# KiCad board aek.kicad_pcb
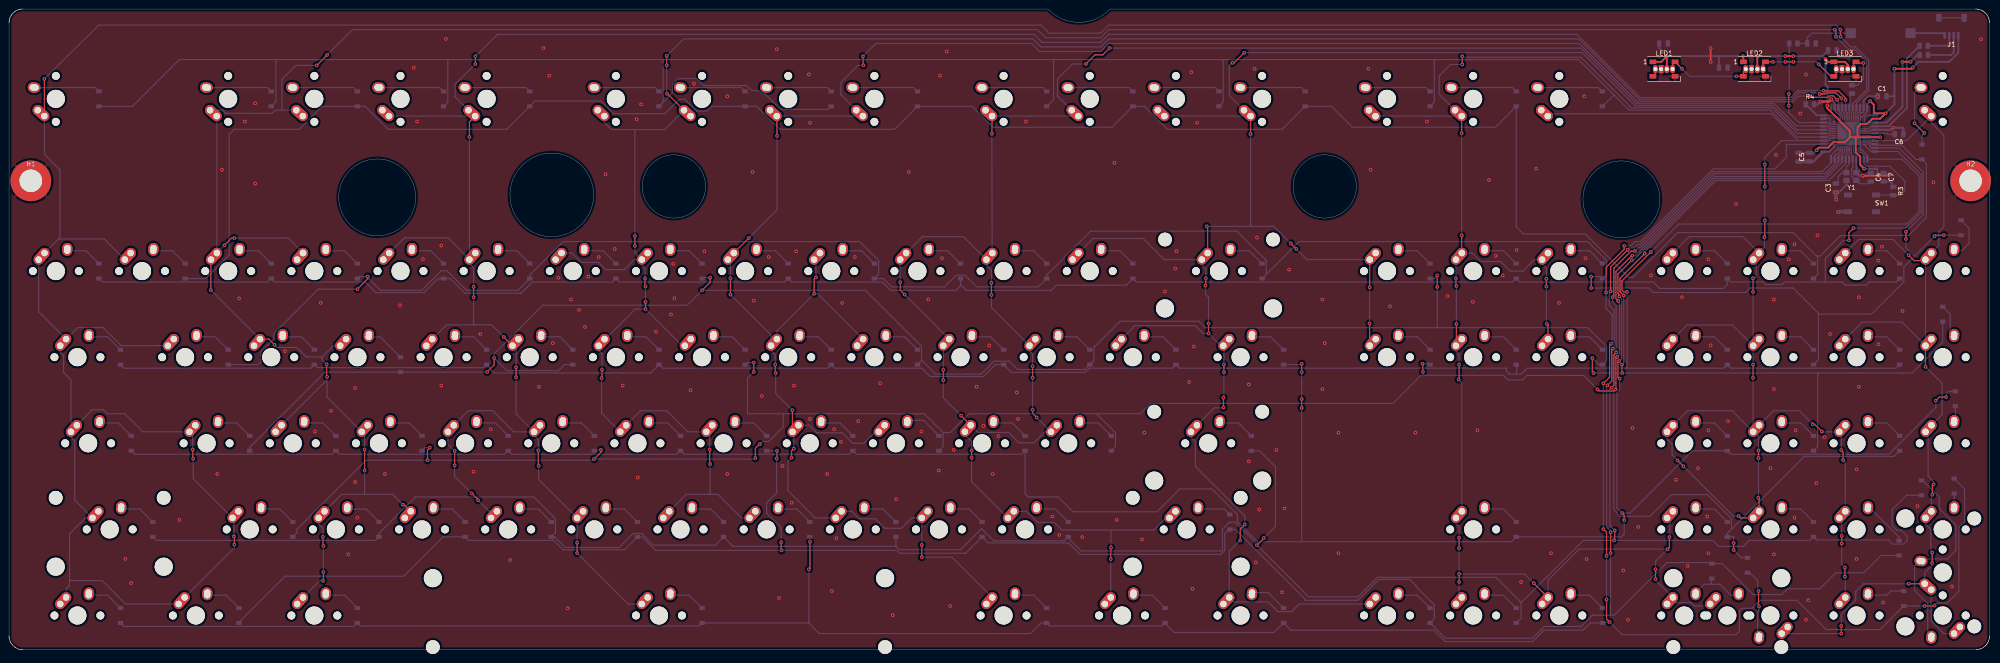
[diagram p0: board, top side]
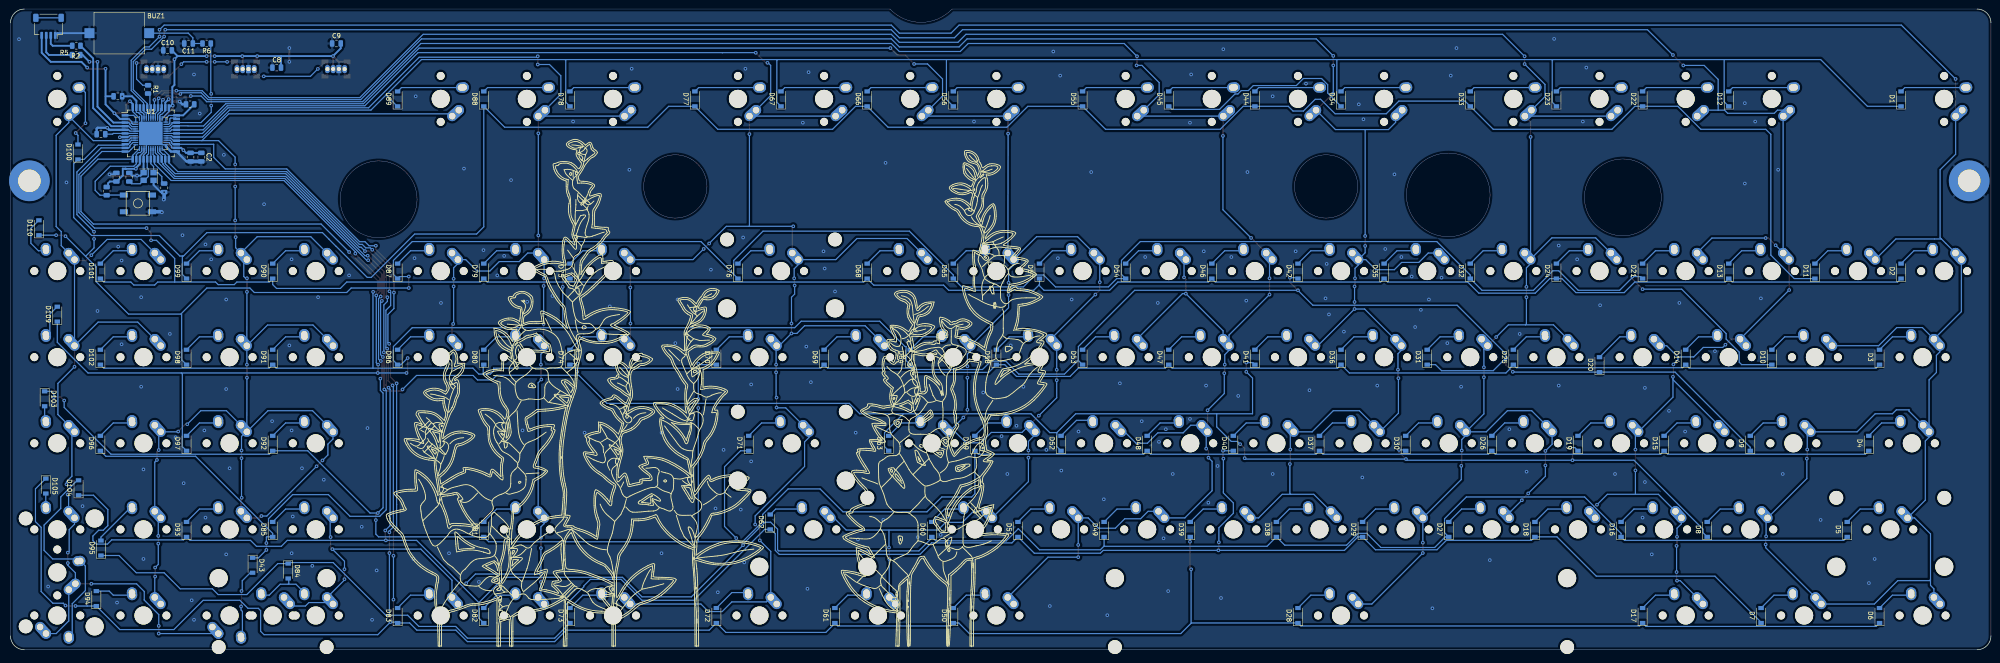
[diagram p1: board, bottom side, seen from below]

Outline 437.9 x 141.75 mm; copper layers: Top, Bottom. Coordinates in mm from the lower left corner of the outline.
Outline path: circle c81.4,100.08 r8.5 ; circle c120,100.63 r9.25 ; circle c147,102.5 r7 ; circle c290.9,102.5 r7 ; circle c356.5,99.65 r8.5 ; 0,138.7 0,3.05 arc(0.89,0.89) 3.05,0 434.85,0 arc(437,0.89) 437.9,3.05 437.9,138.7 arc(437,140.86) 434.85,141.75 243.42,141.75 arc(236.56,138.8) 229.71,141.75 3.05,141.75 arc(0.89,140.86) 0,138.7
Stack: Top 0.035mm / dielectric 1.51mm FR4 er 4.5 / Bottom 0.035mm

## Placement (name value [footprint] x y rotation side)
BUZ1  Buzzer  [Buzzer_Mallory_AST1109MLTRQ]  413.83 136.41 0 bottom
C1  0.1uF  [C_0805_2012Metric]  414.15 122.44 180 bottom
C2  0.1uF  [C_0805_2012Metric]  395.7 108.98 270 bottom
C3  22pF  [C_0805_2012Metric]  403.92 102.19 270 bottom
C4  22pF  [C_0805_2012Metric]  411.63 104.55 90 bottom
C5  0.1uF  [C_0805_2012Metric]  398.08 108.98 270 bottom
C6  1uF  [C_0805_2012Metric]  417.89 114.06 0 bottom
C7  10uF  [C_0805_2012Metric]  414.49 104.55 90 bottom
C8  0.1uF  [C_0805_2012Metric]  379.03 128.79 180 bottom
C9  0.1uF  [C_0805_2012Metric]  365.82 134.13 180 bottom
C10  0.1uF  [C_0805_2012Metric]  403.16 132.6 180 bottom
C11  0.1uF  [C_0805_2012Metric]  398.52 134.13 0 bottom
D1  D_Small  [D_SOD-123]  19.88 121.87 90 bottom
D2  D_Small  [D_SOD-123]  19.88 83.77 90 bottom
D3  D_Small  [D_SOD-123]  24.64 64.72 90 bottom
D4  D_Small  [D_SOD-123]  27.02 45.67 90 bottom
D5  D_Small  [D_SOD-123]  31.78 26.62 90 bottom
D6  D_Small  [D_SOD-123]  24.64 7.57 90 bottom
D7  D_Small  [D_SOD-123]  50.83 7.57 90 bottom
D8  D_Small  [D_SOD-123]  62.74 26.62 90 bottom
D9  D_Small  [D_SOD-123]  53.21 45.67 90 bottom
D10  D_Small  [D_SOD-123]  48.45 64.72 90 bottom
D11  D_Small  [D_SOD-123]  38.93 83.77 90 bottom
D12  D_Small  [D_SOD-123]  57.98 121.87 90 bottom
D13  D_Small  [D_SOD-123]  57.98 83.77 90 bottom
D14  D_Small  [D_SOD-123]  67.5 64.72 90 bottom
D15  D_Small  [D_SOD-123]  72.26 45.67 90 bottom
D16  D_Small  [D_SOD-123]  81.79 26.62 90 bottom
D17  D_Small  [D_SOD-123]  77.03 7.57 90 bottom
D18  D_Small  [D_SOD-123]  100.84 26.62 90 bottom
D19  D_Small  [D_SOD-123]  91.31 45.67 90 bottom
D20  D_Small  [D_SOD-123]  86.55 63.07 90 bottom
D21  D_Small  [D_SOD-123]  77.03 83.77 90 bottom
D22  D_Small  [D_SOD-123]  77.03 121.87 90 bottom
D23  D_Small  [D_SOD-123]  96.08 121.87 90 bottom
D24  D_Small  [D_SOD-123]  96.08 83.77 90 bottom
D25  D_Small  [D_SOD-123]  105.6 64.72 90 bottom
D26  D_Small  [D_SOD-123]  110.36 45.67 90 bottom
D27  D_Small  [D_SOD-123]  119.89 26.62 90 bottom
D28  D_Small  [D_SOD-123]  153.23 7.57 90 bottom
D29  D_Small  [D_SOD-123]  138.94 26.62 90 bottom
D30  D_Small  [D_SOD-123]  129.41 45.67 90 bottom
D31  D_Small  [D_SOD-123]  124.65 64.72 90 bottom
D32  D_Small  [D_SOD-123]  115.13 83.77 90 bottom
D33  D_Small  [D_SOD-123]  115.13 121.87 90 bottom
D34  D_Small  [D_SOD-123]  143.7 121.87 90 bottom
D35  D_Small  [D_SOD-123]  134.18 83.77 90 bottom
D36  D_Small  [D_SOD-123]  143.7 64.72 90 bottom
D37  D_Small  [D_SOD-123]  148.46 45.67 90 bottom
D38  D_Small  [D_SOD-123]  157.99 26.62 90 bottom
D39  D_Small  [D_SOD-123]  177.04 26.62 90 bottom
D40  D_Small  [D_SOD-123]  167.51 45.67 90 bottom
D41  D_Small  [D_SOD-123]  162.75 64.72 90 bottom
D42  D_Small  [D_SOD-123]  153.23 83.77 90 bottom
D43  D_Small  [D_SOD-123]  384.37 18.68 270 bottom
D44  D_Small  [D_SOD-123]  162.75 121.87 90 bottom
D45  D_Small  [D_SOD-123]  181.8 121.87 90 bottom
D46  D_Small  [D_SOD-123]  172.28 83.77 90 bottom
D47  D_Small  [D_SOD-123]  181.8 64.72 90 bottom
D48  D_Small  [D_SOD-123]  186.56 45.67 90 bottom
D49  D_Small  [D_SOD-123]  196.09 26.62 90 bottom
D50  D_Small  [D_SOD-123]  229.43 7.57 90 bottom
D51  D_Small  [D_SOD-123]  215.14 26.62 90 bottom
D52  D_Small  [D_SOD-123]  205.61 45.67 90 bottom
D53  D_Small  [D_SOD-123]  200.85 64.72 90 bottom
D54  D_Small  [D_SOD-123]  191.33 83.77 90 bottom
D55  D_Small  [D_SOD-123]  200.85 121.87 90 bottom
D56  D_Small  [D_SOD-123]  229.43 121.87 90 bottom
D57  D_Small  [D_SOD-123]  210.38 83.77 90 bottom
D58  D_Small  [D_SOD-123]  219.9 64.72 90 bottom
D59  D_Small  [D_SOD-123]  224.66 45.67 90 bottom
D60  D_Small  [D_SOD-123]  234.19 26.62 90 bottom
D61  D_Small  [D_SOD-123]  255.62 7.57 90 bottom
D62  D_Small  [D_SOD-123]  269.91 28.27 90 bottom
D63  D_Small  [D_SOD-123]  243.71 45.67 90 bottom
D64  D_Small  [D_SOD-123]  238.95 64.72 90 bottom
D65  D_Small  [D_SOD-123]  229.43 83.77 90 bottom
D66  D_Small  [D_SOD-123]  248.48 121.87 90 bottom
D67  D_Small  [D_SOD-123]  267.53 121.87 90 bottom
D68  D_Small  [D_SOD-123]  248.48 83.77 90 bottom
D69  D_Small  [D_SOD-123]  258 64.72 90 bottom
D70  D_Small  [D_SOD-123]  281.81 64.72 90 bottom
D71  D_Small  [D_SOD-123]  274.67 45.67 90 bottom
D72  D_Small  [D_SOD-123]  281.81 7.57 90 bottom
D73  D_Small  [D_SOD-123]  314.2 7.57 90 bottom
D74  D_Small  [D_SOD-123]  314.2 64.72 90 bottom
D75  D_Small  [D_SOD-123]  314.2 83.77 90 bottom
D76  D_Small  [D_SOD-123]  277.05 83.77 90 bottom
D77  D_Small  [D_SOD-123]  286.58 121.87 90 bottom
D78  D_Small  [D_SOD-123]  314.2 121.87 90 bottom
D79  D_Small  [D_SOD-123]  333.25 83.77 90 bottom
D80  D_Small  [D_SOD-123]  333.25 64.72 90 bottom
D81  D_Small  [D_SOD-123]  333.25 26.62 90 bottom
D82  D_Small  [D_SOD-123]  333.25 7.57 90 bottom
D83  D_Small  [D_SOD-123]  352.3 7.57 90 bottom
D84  D_Small  [D_SOD-123]  376.49 17.41 270 bottom
D85  D_Small  [D_SOD-123]  379.92 26.62 90 bottom
D86  D_Small  [D_SOD-123]  352.3 64.72 90 bottom
D87  D_Small  [D_SOD-123]  352.3 83.77 90 bottom
D88  D_Small  [D_SOD-123]  333.25 121.87 90 bottom
D89  D_Small  [D_SOD-123]  352.3 121.87 90 bottom
D90  D_Small  [D_SOD-123]  379.92 83.77 90 bottom
D91  D_Small  [D_SOD-123]  379.92 64.72 90 bottom
D92  D_Small  [D_SOD-123]  379.92 45.67 90 bottom
D93  D_Small  [D_SOD-123]  398.97 26.62 90 bottom
D94  D_Small  [D_SOD-123]  418.91 11.32 90 bottom
D95  D_Small  [D_SOD-123]  417.89 22.49 90 bottom
D96  D_Small  [D_SOD-123]  418.02 45.67 90 bottom
D97  D_Small  [D_SOD-123]  398.97 45.67 90 bottom
D98  D_Small  [D_SOD-123]  398.97 64.72 90 bottom
D99  D_Small  [D_SOD-123]  398.97 83.77 90 bottom
D100  D_Small  [D_SOD-123]  422.97 110.12 90 bottom
D101  D_Small  [D_SOD-123]  418.02 83.77 90 bottom
D102  D_Small  [D_SOD-123]  418.02 64.72 90 bottom
D103  D_Small  [D_SOD-123]  430.34 55.52 270 bottom
D104  D_Small  [D_SOD-123]  422.85 35.83 90 bottom
D105  D_Small  [D_SOD-123]  430.09 36.21 270 bottom
D109  D_Small  [D_SOD-123]  427.55 74.25 90 bottom
D110  D_Small  [D_SOD-123]  431.61 93.36 90 bottom
H1  MountingHole_Pad  [MountingHole_2.7mm_M2.5_Pad]  4.81 103.75 0 top
H2  MountingHole_Pad  [MountingHole_2.7mm_M2.5_Pad]  433.71 103.75 0 top
J1  Conn_01x04_MountingPin  [JST_SH_SM04B-SRSS-TB_1x04-1MP_P1.00mm_Horizontal]  429.49 137.93 0 bottom
LED1  WS2812B  [WS2812BDual]  365.92 128.46 0 top
LED2  WS2812B  [WS2812BDual]  385.92 128.46 0 top
LED3  WS2812B  [WS2812BDual]  405.92 128.46 0 top
R1  330  [R_0805_2012Metric]  407.48 123.97 270 bottom
R2  22  [R_0805_2012Metric]  423.33 133.62 0 bottom
R3  10k  [R_0805_2012Metric]  416.62 101.47 90 bottom
R4  10k  [R_0805_2012Metric]  398.19 120.67 180 bottom
R5  22  [R_0805_2012Metric]  423.38 131.59 0 bottom
R6  22  [R_0805_2012Metric]  394.53 134.13 0 bottom
SW1  SW_Push  [SKQG-1155865]  409.71 98.75 180 bottom
SW_0  MX-NoLED  [MX-1U-NoLED]  200.85 83.77 0 top
SW_1  MX-NoLED  [MX-1U-NoLED]  29.4 83.77 0 top
SW_2  MX-NoLED  [MX-1U-NoLED]  48.45 83.77 0 top
SW_3  MX-NoLED  [MX-1U-NoLED]  67.5 83.77 0 top
SW_4  MX-NoLED  [MX-1U-NoLED]  86.55 83.77 0 top
SW_5  MX-NoLED  [MX-1U-NoLED]  105.6 83.77 0 top
SW_6  MX-NoLED  [MX-1U-NoLED]  124.65 83.77 0 top
SW_7  MX-NoLED  [MX-1U-NoLED]  143.7 83.77 0 top
SW_8  MX-NoLED  [MX-1U-NoLED]  162.75 83.77 0 top
SW_9  MX-NoLED  [MX-1U-NoLED]  181.8 83.77 0 top
SW_A1  MX-NoLED  [MX-1U-NoLED]  43.69 45.67 0 top
SW_APOS1  MX-NoLED  [MX-1U-NoLED]  234.19 45.67 0 top
SW_B1  MX-NoLED  [MX-1U-NoLED]  129.41 26.62 0 top
SW_BACKSP1  MX-NoLED  [MX-2U-NoLED]  267.53 83.77 0 top
SW_BKSLS1  MX-NoLED  [MX-1.5U-NoLED]  272.29 64.72 0 top
SW_C1  MX-NoLED  [MX-1U-NoLED]  91.31 26.62 0 top
SW_CAP1  MX-NoLED  [MX-1.75U-NoLED]  17.49 45.67 0 top
SW_COLON1  MX-NoLED  [MX-1U-NoLED]  215.14 45.67 0 top
SW_COMMA1  MX-NoLED  [MX-1U-NoLED]  186.56 26.62 0 top
SW_D1  MX-NoLED  [MX-1U-NoLED]  81.79 45.67 0 top
SW_DEL1  MX-NoLED  [MX-1U-NoLED]  304.67 64.72 0 top
SW_DOWN1  MX-NoLED  [MX-1U-NoLED]  323.72 7.57 0 top
SW_E1  MX-NoLED  [MX-1U-NoLED]  77.03 64.72 0 top
SW_END1  MX-NoLED  [MX-1U-NoLED]  323.72 64.72 0 top
SW_ENTER1  MX-NoLED  [MX-2.25U-NoLED]  265.14 45.67 0 top
SW_EQ1  MX-NoLED  [MX-1U-NoLED]  238.95 83.77 0 top
SW_ESC1  MX-NoLED  [MX-1U-NoLED]  10.35 121.87 90 top
SW_F1  MX-NoLED  [MX-1U-NoLED]  48.45 121.87 90 top
SW_F2  MX-NoLED  [MX-1U-NoLED]  67.5 121.87 90 top
SW_F3  MX-NoLED  [MX-1U-NoLED]  86.55 121.87 90 top
SW_F4  MX-NoLED  [MX-1U-NoLED]  105.6 121.87 90 top
SW_F5  MX-NoLED  [MX-1U-NoLED]  134.18 121.87 90 top
SW_F6  MX-NoLED  [MX-1U-NoLED]  153.23 121.87 90 top
SW_F7  MX-NoLED  [MX-1U-NoLED]  172.28 121.87 90 top
SW_F8  MX-NoLED  [MX-1U-NoLED]  191.33 121.87 90 top
SW_F9  MX-NoLED  [MX-1U-NoLED]  219.9 121.87 90 top
SW_F10  MX-NoLED  [MX-1U-NoLED]  238.95 121.87 90 top
SW_F11  MX-NoLED  [MX-1U-NoLED]  258 121.87 90 top
SW_F12  MX-NoLED  [MX-1U-NoLED]  277.05 121.87 90 top
SW_F13  MX-NoLED  [MX-1U-NoLED]  100.84 45.67 0 top
SW_G1  MX-NoLED  [MX-1U-NoLED]  119.89 45.67 0 top
SW_H1  MX-NoLED  [MX-1U-NoLED]  138.94 45.67 0 top
SW_HOME1  MX-NoLED  [MX-1U-NoLED]  323.72 83.77 0 top
SW_I1  MX-NoLED  [MX-1U-NoLED]  172.28 64.72 0 top
SW_INS1  MX-NoLED  [MX-1U-NoLED]  304.67 83.77 0 top
SW_J1  MX-NoLED  [MX-1U-NoLED]  157.99 45.67 0 top
SW_K1  MX-NoLED  [MX-1U-NoLED]  177.04 45.67 0 top
SW_KP0  MX-NoLED  [MX-2U-ReversedStabilizers-NoLED]  379.92 7.57 0 top
SW_KP0ALT1  MX-NoLED  [MX-1U-NoLED]  370.4 7.57 0 top
SW_KP0X1  MX-NoLED  [MX-1U-NoLED]  389.45 7.57 180 top
SW_KP1  MX-NoLED  [MX-1U-NoLED]  370.4 26.62 0 top
SW_KP2  MX-NoLED  [MX-1U-NoLED]  389.45 26.62 0 top
SW_KP3  MX-NoLED  [MX-1U-NoLED]  408.5 26.62 0 top
SW_KP4  MX-NoLED  [MX-1U-NoLED]  370.4 45.67 0 top
SW_KP5  MX-NoLED  [MX-1U-NoLED]  389.45 45.67 0 top
SW_KP6  MX-NoLED  [MX-1U-NoLED]  408.5 45.67 0 top
SW_KP7  MX-NoLED  [MX-1U-NoLED]  370.4 64.72 0 top
SW_KP8  MX-NoLED  [MX-1U-NoLED]  389.45 64.72 0 top
SW_KP9  MX-NoLED  [MX-1U-NoLED]  408.5 64.72 0 top
SW_KPASTR1  MX-NoLED  [MX-1U-NoLED]  427.55 83.77 0 top
SW_KPENTER1  MX-NoLED  [MX-2U-ReversedStabilizers-NoLED]  427.55 17.1 90 top
SW_KPENTERALT1  MX-NoLED  [MX-1U-NoLED]  427.55 7.57 180 top
SW_KPENTERX1  MX-NoLED  [MX-1U-NoLED]  427.55 26.62 0 top
SW_KPEQ1  MX-NoLED  [MX-1U-NoLED]  389.45 83.77 0 top
SW_KPMINUS1  MX-NoLED  [MX-1U-NoLED]  427.55 64.72 0 top
SW_KPPER1  MX-NoLED  [MX-1U-NoLED]  408.5 7.57 0 top
SW_KPPLUS1  MX-NoLED  [MX-1U-NoLED]  427.55 45.67 0 top
SW_KPSLASH1  MX-NoLED  [MX-1U-NoLED]  408.5 83.77 0 top
SW_L1  MX-NoLED  [MX-1U-NoLED]  196.09 45.67 0 top
SW_LALT1  MX-NoLED  [MX-1.5U-NoLED]  67.5 7.57 0 top
SW_LBRAC1  MX-NoLED  [MX-1U-NoLED]  229.43 64.72 0 top
SW_LCTR1  MX-NoLED  [MX-1.5U-NoLED]  15.11 7.57 0 top
SW_LEFT1  MX-NoLED  [MX-1U-NoLED]  304.67 7.57 0 top
SW_LMOD1  MX-NoLED  [MX-1.25U-NoLED]  41.31 7.57 0 top
SW_LSH1  MX-NoLED  [MX-2.25U-NoLED]  22.26 26.62 0 top
SW_M1  MX-NoLED  [MX-1U-NoLED]  167.51 26.62 0 top
SW_MINUS1  MX-NoLED  [MX-1U-NoLED]  219.9 83.77 0 top
SW_N1  MX-NoLED  [MX-1U-NoLED]  148.46 26.62 0 top
SW_NUMLK1  MX-NoLED  [MX-1U-NoLED]  370.4 83.77 0 top
SW_O1  MX-NoLED  [MX-1U-NoLED]  191.33 64.72 0 top
SW_P1  MX-NoLED  [MX-1U-NoLED]  210.38 64.72 0 top
SW_PAUSE1  MX-NoLED  [MX-1U-NoLED]  342.77 121.87 90 top
SW_PERIOD1  MX-NoLED  [MX-1U-NoLED]  205.61 26.62 0 top
SW_PGDN1  MX-NoLED  [MX-1U-NoLED]  342.77 64.72 0 top
SW_PGUP1  MX-NoLED  [MX-1U-NoLED]  342.77 83.77 0 top
SW_POW1  MX-NoLED  [MX-1U-NoLED]  427.55 121.87 90 top
SW_PRSC1  MX-NoLED  [MX-1U-NoLED]  304.67 121.87 90 top
SW_Q1  MX-NoLED  [MX-1U-NoLED]  38.93 64.72 0 top
SW_R1  MX-NoLED  [MX-1U-NoLED]  96.08 64.72 0 top
SW_RALT1  MX-NoLED  [MX-1.5U-NoLED]  219.9 7.57 0 top
SW_RBRAC1  MX-NoLED  [MX-1U-NoLED]  248.48 64.72 0 top
SW_RCTR1  MX-NoLED  [MX-1.5U-NoLED]  272.29 7.57 0 top
SW_RIGHT1  MX-NoLED  [MX-1U-NoLED]  342.77 7.57 0 top
SW_RMOD1  MX-NoLED  [MX-1.25U-NoLED]  246.09 7.57 0 top
SW_RSH1  MX-NoLED  [MX-2.75U-NoLED]  260.38 26.62 0 top
SW_S1  MX-NoLED  [MX-1U-NoLED]  62.74 45.67 0 top
SW_SCLK1  MX-NoLED  [MX-1U-NoLED]  323.72 121.87 90 top
SW_SLASH1  MX-NoLED  [MX-1U-NoLED]  224.66 26.62 0 top
SW_SPACE1  MX-NoLED  [MX-6.5U-ReversedStabilizers-NoLED]  143.7 7.57 0 top
SW_T1  MX-NoLED  [MX-1U-NoLED]  115.13 64.72 0 top
SW_TAB1  MX-NoLED  [MX-1.5U-NoLED]  15.11 64.72 0 top
SW_TICK1  MX-NoLED  [MX-1U-NoLED]  10.35 83.77 0 top
SW_U1  MX-NoLED  [MX-1U-NoLED]  153.23 64.72 0 top
SW_UP1  MX-NoLED  [MX-1U-NoLED]  323.72 26.62 0 top
SW_V1  MX-NoLED  [MX-1U-NoLED]  110.36 26.62 0 top
SW_W1  MX-NoLED  [MX-1U-NoLED]  57.98 64.72 0 top
SW_X1  MX-NoLED  [MX-1U-NoLED]  72.26 26.62 0 top
SW_Y1  MX-NoLED  [MX-1U-NoLED]  134.18 64.72 0 top
SW_Z1  MX-NoLED  [MX-1U-NoLED]  53.21 26.62 0 top
U1  ATmega32U4-MU  [atmega32u4-mu-and-au]  406.87 114.23 180 bottom
Y1  16MHz  [Crystal_SMD_3225-4Pin_3.2x2.5mm]  407.35 104.7 0 bottom

## Footprints (pads in the part's own frame, mm; a bottom-side part is the same pattern mirrored in y, then rotated)
atmega32u4-mu-and-au
  rrect 1.05x1.05 smd: (-1.95,-1.95) (-1.95,-0.65) (-1.95,0.65) (-1.95,1.95) (-0.65,-1.95) (-0.65,-0.65) (-0.65,0.65) (-0.65,1.95) (0.65,-1.95) (0.65,-0.65) (0.65,0.65) (0.65,1.95) (1.95,-1.95) (1.95,-0.65) (1.95,0.65) (1.95,1.95)
  rect 1.5x0.55 smd: 1(-5.7,4) 2(-5.7,3.2) 3(-5.7,2.4) 4(-5.7,1.6) 5(-5.7,0.8) 6(-5.7,0) 7(-5.7,-0.8) 8(-5.7,-1.6) 9(-5.7,-2.4) 10(-5.7,-3.2) 11(-5.7,-4) 23(5.7,-4) 24(5.7,-3.2) 25(5.7,-2.4) 26(5.7,-1.6) 27(5.7,-0.8) 28(5.7,0) 29(5.7,0.8) 30(5.7,1.6) 31(5.7,2.4) 32(5.7,3.2) 33(5.7,4)
  rrect 1.075x0.25 smd: 1(-3.337,2.5) 2(-3.337,2) 3(-3.337,1.5) 4(-3.337,1) 5(-3.337,0.5) 6(-3.337,0) 7(-3.337,-0.5) 8(-3.337,-1) 9(-3.337,-1.5) 10(-3.337,-2) 11(-3.337,-2.5) 23(3.337,-2.5) 24(3.337,-2) 25(3.337,-1.5) 26(3.337,-1) 27(3.337,-0.5) 28(3.337,0) 29(3.337,0.5) 30(3.337,1) 31(3.337,1.5) 32(3.337,2) 33(3.337,2.5)
  rect 0.55x1.5 smd: 12(-4,-5.7) 13(-3.2,-5.7) 14(-2.4,-5.7) 15(-1.6,-5.7) 16(-0.8,-5.7) 17(0,-5.7) 18(0.8,-5.7) 19(1.6,-5.7) 20(2.4,-5.7) 21(3.2,-5.7) 22(4,-5.7) 34(4,5.7) 35(3.2,5.7) 36(2.4,5.7) 37(1.6,5.7) 38(0.8,5.7) 39(0,5.7) 40(-0.8,5.7) 41(-1.6,5.7) 42(-2.4,5.7) 43(-3.2,5.7) 44(-4,5.7)
  rrect 0.25x1.075 smd: 12(-2.5,-3.337) 13(-2,-3.337) 14(-1.5,-3.337) 15(-1,-3.337) 16(-0.5,-3.337) 17(0,-3.337) 18(0.5,-3.337) 19(1,-3.337) 20(1.5,-3.337) 21(2,-3.337) 22(2.5,-3.337) 34(2.5,3.337) 35(2,3.337) 36(1.5,3.337) 37(1,3.337) 38(0.5,3.337) 39(0,3.337) 40(-0.5,3.337) 41(-1,3.337) 42(-1.5,3.337) 43(-2,3.337) 44(-2.5,3.337)
  rect 5.2x5.2 smd: 45(0,0)
Buzzer_Mallory_AST1109MLTRQ
  rect 2.2x2.2 smd: 1(-6.6,0) 2(6.6,0)
C_0805_2012Metric
  rrect 1x1.45 smd: 1(-0.95,0) 2(0.95,0)
Crystal_SMD_3225-4Pin_3.2x2.5mm
  rect 1.4x1.2 smd: 1(-1.1,-0.85) 2(1.1,-0.85) 3(1.1,0.85) 4(-1.1,0.85)
D_SOD-123
  rect 0.9x1.2 smd: 1(-1.65,0) 2(1.65,0)
JST_SH_SM04B-SRSS-TB_1x04-1MP_P1.00mm_Horizontal
  rrect 0.6x1.55 smd: 1(-1.5,2) 2(-0.5,2) 3(0.5,2) 4(1.5,2)
  rrect 1.2x1.8 smd: MP(-2.8,-1.875) MP(2.8,-1.875)
MountingHole_2.7mm_M2.5_Pad
  round 9 hole 5: 1(0,0)
MX-1.5U-NoLED
  round 1.75 hole 1.75 unplated: (-5.08,0) (5.08,0)
  round 3.988 hole 3.988 unplated: (0,0)
  oval 4.212x2.25 hole 1.47 rot 48.1: 1(-3.81,2.54)
  round 2.25 hole 1.47: 1(-2.5,4) 2(2.54,5.08)
  oval 2.831x2.25 hole 1.47 rot 86.1: 2(2.5,4.5)
MX-1.25U-NoLED
  round 1.75 hole 1.75 unplated: (-5.08,0) (5.08,0)
  round 3.988 hole 3.988 unplated: (0,0)
  oval 4.212x2.25 hole 1.47 rot 48.1: 1(-3.81,2.54)
  round 2.25 hole 1.47: 1(-2.5,4) 2(2.54,5.08)
  oval 2.831x2.25 hole 1.47 rot 86.1: 2(2.5,4.5)
MX-1.75U-NoLED
  round 1.75 hole 1.75 unplated: (-5.08,0) (5.08,0)
  round 3.988 hole 3.988 unplated: (0,0)
  oval 4.212x2.25 hole 1.47 rot 48.1: 1(-3.81,2.54)
  round 2.25 hole 1.47: 1(-2.5,4) 2(2.54,5.08)
  oval 2.831x2.25 hole 1.47 rot 86.1: 2(2.5,4.5)
MX-1U-NoLED
  round 1.75 hole 1.75 unplated: (-5.08,0) (5.08,0)
  round 3.988 hole 3.988 unplated: (0,0)
  oval 4.212x2.25 hole 1.47 rot 48.1: 1(-3.81,2.54)
  round 2.25 hole 1.47: 1(-2.5,4) 2(2.54,5.08)
  oval 2.831x2.25 hole 1.47 rot 86.1: 2(2.5,4.5)
MX-2.25U-NoLED
  round 3.048 hole 3.048 unplated: (-11.938,6.985) (11.938,6.985)
  round 3.988 hole 3.988 unplated: (-11.938,-8.255) (0,0) (11.938,-8.255)
  round 1.75 hole 1.75 unplated: (-5.08,0) (5.08,0)
  oval 4.212x2.25 hole 1.47 rot 48.1: 1(-3.81,2.54)
  round 2.25 hole 1.47: 1(-2.5,4) 2(2.54,5.08)
  oval 2.831x2.25 hole 1.47 rot 86.1: 2(2.5,4.5)
MX-2.75U-NoLED
  round 3.048 hole 3.048 unplated: (-11.938,6.985) (11.938,6.985)
  round 3.988 hole 3.988 unplated: (-11.938,-8.255) (0,0) (11.938,-8.255)
  round 1.75 hole 1.75 unplated: (-5.08,0) (5.08,0)
  oval 4.212x2.25 hole 1.47 rot 48.1: 1(-3.81,2.54)
  round 2.25 hole 1.47: 1(-2.5,4) 2(2.54,5.08)
  oval 2.831x2.25 hole 1.47 rot 86.1: 2(2.5,4.5)
MX-2U-NoLED
  round 3.048 hole 3.048 unplated: (-11.938,6.985) (11.938,6.985)
  round 3.988 hole 3.988 unplated: (-11.938,-8.255) (0,0) (11.938,-8.255)
  round 1.75 hole 1.75 unplated: (-5.08,0) (5.08,0)
  oval 4.212x2.25 hole 1.47 rot 48.1: 1(-3.81,2.54)
  round 2.25 hole 1.47: 1(-2.5,4) 2(2.54,5.08)
  oval 2.831x2.25 hole 1.47 rot 86.1: 2(2.5,4.5)
MX-2U-ReversedStabilizers-NoLED
  round 3.988 hole 3.988 unplated: (-11.938,8.255) (0,0) (11.938,8.255)
  round 3.048 hole 3.048 unplated: (-11.938,-6.985) (11.938,-6.985)
  round 1.75 hole 1.75 unplated: (-5.08,0) (5.08,0)
  oval 4.212x2.25 hole 1.47 rot 48.1: 1(-3.81,2.54)
  round 2.25 hole 1.47: 1(-2.5,4) 2(2.54,5.08)
  oval 2.831x2.25 hole 1.47 rot 86.1: 2(2.5,4.5)
MX-6.5U-ReversedStabilizers-NoLED
  round 3.988 hole 3.988 unplated: (-50,8.255) (0,0) (50,8.255)
  round 3.048 hole 3.048 unplated: (-50,-6.985) (50,-6.985)
  round 1.75 hole 1.75 unplated: (-5.08,0) (5.08,0)
  oval 4.212x2.25 hole 1.47 rot 48.1: 1(-3.81,2.54)
  round 2.25 hole 1.47: 1(-2.5,4) 2(2.54,5.08)
  oval 2.831x2.25 hole 1.47 rot 86.1: 2(2.5,4.5)
R_0805_2012Metric
  rrect 1.025x1.4 smd: 1(-0.912,0) 2(0.912,0)
SKQG-1155865
  rect 1.8x1.1 smd: 1(3.1,-1.85) 2(-3.1,1.85) 3(3.1,1.85) 4(-3.1,-1.85)
WS2812BDual
  rect 1.5x1 smd: 1(-2.45,1.6) 2(-2.45,-1.6) 3(2.45,-1.6) 4(2.45,1.6)
  oval 1.07x1.8 hole 0.9: 1(0.635,0) 2(-1.905,0) 4(1.905,0)
  rect 1.07x1.8 hole 0.9: 3(-0.635,0)

## Nets
+5V: C1.1 C2.1 C5.1 C7.1 C8.2 C9.2 C10.2 J1.4 LED1.1 LED2.1 LED3.1 R3.2 U1.2 U1.7 U1.14 U1.24 U1.34 U1.44
GND: BUZ1.2 C1.2 C2.2 C3.2 C4.2 C5.2 C6.2 C7.2 C8.1 C9.1 C10.1 C11.2 H1.1 H2.1 J1.1 LED1.3 LED2.3 LED3.3 R4.1 SW1.1 U1.5 U1.15 U1.23 U1.35 U1.43 U1.45 Y1.2 Y1.4
BUZIN: R6.1 U1.31
COL0: SW_1.1 SW_A1.1 SW_CAP1.1 SW_ESC1.1 SW_LCTR1.1 SW_LMOD1.1 SW_LSH1.1 SW_Q1.1 SW_TAB1.1 SW_TICK1.1 SW_Z1.1 U1.41
COL1: SW_2.1 SW_3.1 SW_C1.1 SW_D1.1 SW_E1.1 SW_F1.1 SW_F2.1 SW_LALT1.1 SW_S1.1 SW_W1.1 SW_X1.1 U1.40
COL2: SW_4.1 SW_5.1 SW_B1.1 SW_F3.1 SW_F4.1 SW_F13.1 SW_G1.1 SW_R1.1 SW_SPACE1.1 SW_T1.1 SW_V1.1 U1.38
COL3: SW_6.1 SW_7.1 SW_F5.1 SW_F6.1 SW_H1.1 SW_J1.1 SW_M1.1 SW_N1.1 SW_U1.1 SW_Y1.1 U1.37
COL4: SW_8.1 SW_9.1 SW_COMMA1.1 SW_F7.1 SW_F8.1 SW_I1.1 SW_K1.1 SW_L1.1 SW_O1.1 SW_PERIOD1.1 SW_RALT1.1 U1.36
COL5: SW_0.1 SW_APOS1.1 SW_COLON1.1 SW_F9.1 SW_F10.1 SW_LBRAC1.1 SW_MINUS1.1 SW_P1.1 SW_RMOD1.1 SW_RSH1.1 SW_SLASH1.1 U1.30
COL6: SW_BACKSP1.1 SW_BKSLS1.1 SW_DEL1.1 SW_ENTER1.1 SW_EQ1.1 SW_F11.1 SW_F12.1 SW_INS1.1 SW_LEFT1.1 SW_RBRAC1.1 SW_RCTR1.1 U1.29
COL7: SW_DOWN1.1 SW_END1.1 SW_HOME1.1 SW_KP0.1 SW_KP0ALT1.1 SW_KP1.1 SW_PGDN1.1 SW_PGUP1.1 SW_PRSC1.1 SW_RIGHT1.1 SW_SCLK1.1 SW_UP1.1 U1.28
COL8: SW_KP2.1 SW_KP3.1 SW_KP4.1 SW_KP5.1 SW_KP6.1 SW_KP7.1 SW_KP8.1 SW_KPEQ1.1 SW_KPPER1.1 SW_NUMLK1.1 SW_PAUSE1.1 U1.26
COL9: SW_KP0X1.1 SW_KP9.1 SW_KPASTR1.1 SW_KPENTER1.1 SW_KPENTERALT1.1 SW_KPENTERX1.1 SW_KPMINUS1.1 SW_KPPLUS1.1 SW_KPSLASH1.1 SW_POW1.1 U1.8
D+: J1.2 R2.2
D-: J1.3 R5.2
LEDDIN: LED3.4 R1.1
ROW0: D1.1 D12.1 D23.1 D34.1 D45.1 D56.1 D67.1 D78.1 D89.1 U1.27
ROW1: D2.1 D13.1 D24.1 D35.1 D46.1 D57.1 D68.1 D79.1 D90.1 D101.1 U1.11
ROW2: D3.1 D14.1 D25.1 D36.1 D47.1 D58.1 D69.1 D80.1 D91.1 D102.1 U1.12
ROW3: D4.1 D15.1 D26.1 D37.1 D48.1 D59.1 D70.1 D81.1 D92.1 D103.1 U1.19
ROW4: D5.1 D16.1 D27.1 D38.1 D49.1 D60.1 D71.1 D82.1 D93.1 D104.1 U1.21
ROW5: D6.1 D17.1 D28.1 D39.1 D50.1 D61.1 D72.1 D83.1 D94.1 D105.1 U1.25
ROW6: D7.1 D18.1 D29.1 D40.1 D51.1 D62.1 D73.1 D84.1 D95.1 U1.22
ROW7: D8.1 D19.1 D30.1 D41.1 D43.1 D52.1 D63.1 D74.1 D85.1 D96.1 U1.20
ROW8: D9.1 D20.1 D31.1 D42.1 D53.1 D64.1 D75.1 D86.1 D97.1 D109.1 U1.18
ROW9: D10.1 D21.1 D32.1 D54.1 D65.1 D76.1 D87.1 D98.1 D110.1 U1.10
ROW10: D11.1 D22.1 D33.1 D44.1 D55.1 D66.1 D77.1 D88.1 D99.1 D100.1 U1.9
Net-(BUZ1-Pad1): BUZ1.1 C11.1 R6.2
Net-(C3-Pad1): C3.1 U1.17 Y1.1
Net-(C4-Pad1): C4.1 U1.16 Y1.3
Net-(C6-Pad1): C6.1 U1.6
Net-(D1-Pad2): D1.2 SW_ESC1.2
Net-(D2-Pad2): D2.2 SW_TICK1.2
Net-(D3-Pad2): D3.2 SW_TAB1.2
Net-(D4-Pad2): D4.2 SW_CAP1.2
Net-(D5-Pad2): D5.2 SW_LSH1.2
Net-(D6-Pad2): D6.2 SW_LCTR1.2
Net-(D7-Pad2): D7.2 SW_LMOD1.2
Net-(D8-Pad2): D8.2 SW_Z1.2
Net-(D9-Pad2): D9.2 SW_A1.2
Net-(D10-Pad2): D10.2 SW_Q1.2
Net-(D11-Pad2): D11.2 SW_1.2
Net-(D12-Pad2): D12.2 SW_F1.2
Net-(D13-Pad2): D13.2 SW_2.2
Net-(D14-Pad2): D14.2 SW_W1.2
Net-(D15-Pad2): D15.2 SW_S1.2
Net-(D16-Pad2): D16.2 SW_X1.2
Net-(D17-Pad2): D17.2 SW_LALT1.2
Net-(D18-Pad2): D18.2 SW_C1.2
Net-(D19-Pad2): D19.2 SW_D1.2
Net-(D20-Pad2): D20.2 SW_E1.2
Net-(D21-Pad2): D21.2 SW_3.2
Net-(D22-Pad2): D22.2 SW_F2.2
Net-(D23-Pad2): D23.2 SW_F3.2
Net-(D24-Pad2): D24.2 SW_4.2
Net-(D25-Pad2): D25.2 SW_R1.2
Net-(D26-Pad2): D26.2 SW_F13.2
Net-(D27-Pad2): D27.2 SW_V1.2
Net-(D28-Pad2): D28.2 SW_SPACE1.2
Net-(D29-Pad2): D29.2 SW_B1.2
Net-(D30-Pad2): D30.2 SW_G1.2
Net-(D31-Pad2): D31.2 SW_T1.2
Net-(D32-Pad2): D32.2 SW_5.2
Net-(D33-Pad2): D33.2 SW_F4.2
Net-(D34-Pad2): D34.2 SW_F5.2
Net-(D35-Pad2): D35.2 SW_6.2
Net-(D36-Pad2): D36.2 SW_Y1.2
Net-(D37-Pad2): D37.2 SW_H1.2
Net-(D38-Pad2): D38.2 SW_N1.2
Net-(D39-Pad2): D39.2 SW_M1.2
Net-(D40-Pad2): D40.2 SW_J1.2
Net-(D41-Pad2): D41.2 SW_U1.2
Net-(D42-Pad2): D42.2 SW_7.2
Net-(D43-Pad2): D43.2 SW_KP0X1.2
Net-(D44-Pad2): D44.2 SW_F6.2
Net-(D45-Pad2): D45.2 SW_F7.2
Net-(D46-Pad2): D46.2 SW_8.2
Net-(D47-Pad2): D47.2 SW_I1.2
Net-(D48-Pad2): D48.2 SW_K1.2
Net-(D49-Pad2): D49.2 SW_COMMA1.2
Net-(D50-Pad2): D50.2 SW_RALT1.2
Net-(D51-Pad2): D51.2 SW_PERIOD1.2
Net-(D52-Pad2): D52.2 SW_L1.2
Net-(D53-Pad2): D53.2 SW_O1.2
Net-(D54-Pad2): D54.2 SW_9.2
Net-(D55-Pad2): D55.2 SW_F8.2
Net-(D56-Pad2): D56.2 SW_F9.2
Net-(D57-Pad2): D57.2 SW_0.2
Net-(D58-Pad2): D58.2 SW_P1.2
Net-(D59-Pad2): D59.2 SW_COLON1.2
Net-(D60-Pad2): D60.2 SW_SLASH1.2
Net-(D61-Pad2): D61.2 SW_RMOD1.2
Net-(D62-Pad2): D62.2 SW_RSH1.2
Net-(D63-Pad2): D63.2 SW_APOS1.2
Net-(D64-Pad2): D64.2 SW_LBRAC1.2
Net-(D65-Pad2): D65.2 SW_MINUS1.2
Net-(D66-Pad2): D66.2 SW_F10.2
Net-(D67-Pad2): D67.2 SW_F11.2
Net-(D68-Pad2): D68.2 SW_EQ1.2
Net-(D69-Pad2): D69.2 SW_RBRAC1.2
Net-(D70-Pad2): D70.2 SW_BKSLS1.2
Net-(D71-Pad2): D71.2 SW_ENTER1.2